# Altium PCB CorePad-V2.0.PcbDoc (part 3 of 3)
Units mil, origin at the board's own origin, x right, y up, seen from the top; angles counter-clockwise.
Board outline 2003.94 x 2003.94 mil, 4 copper layers (TOP, GND02, VCC03, BOT), stack 30.634 mil thick; 57 components, 182 nets, 610 pads, 391 vias.
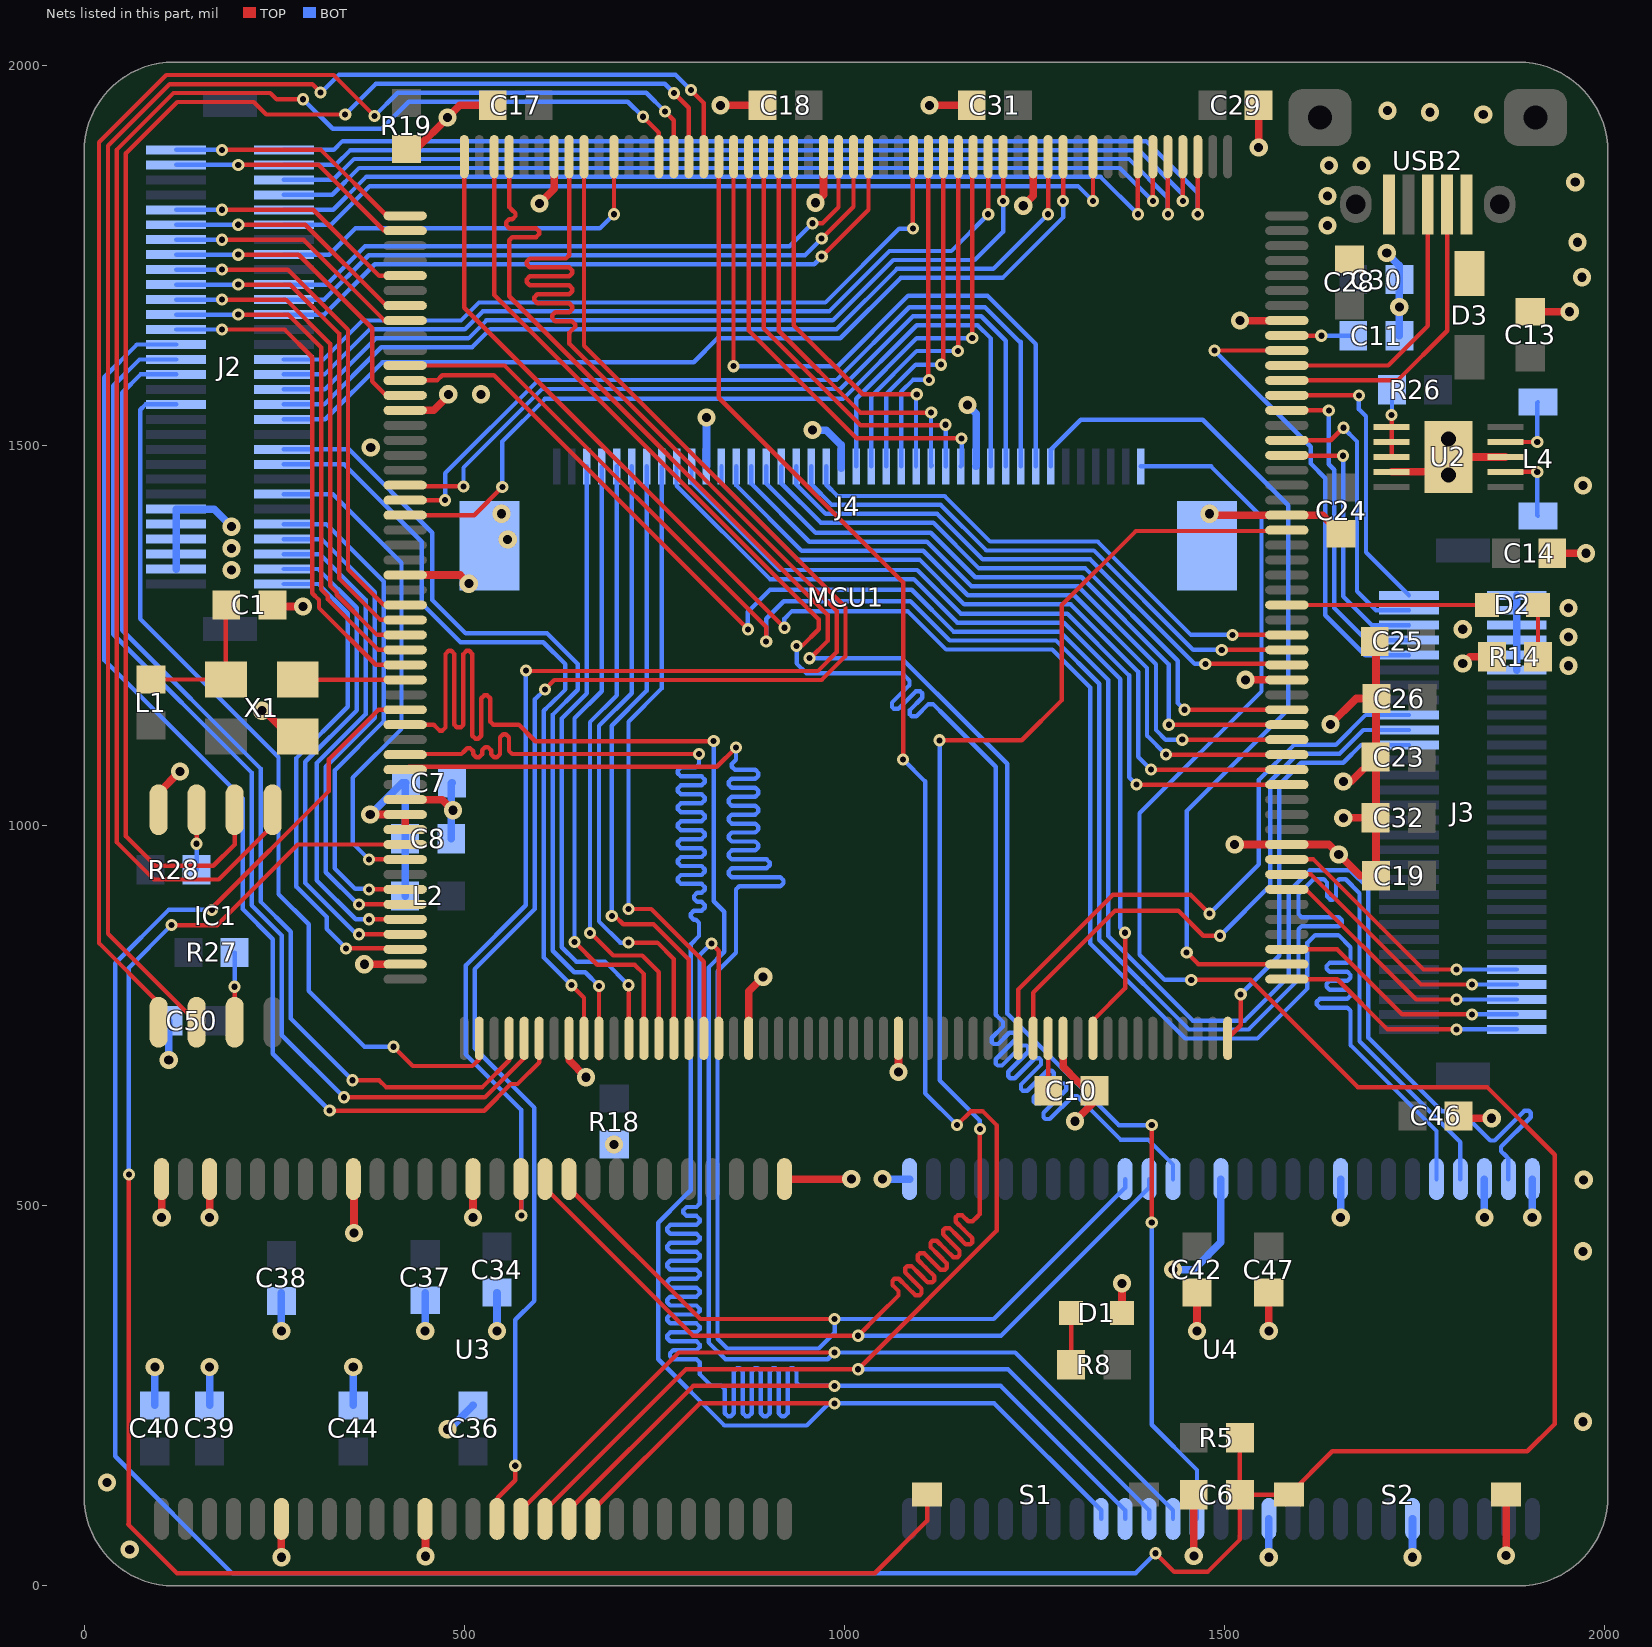
[diagram p5: the nets of this part, all layers, seen from the top]

## Via types
v1: diameter 16, hole 8, TOP to BOT, tented both sides, 229 vias
v2: diameter 24, hole 12, TOP to BOT, tented both sides, 156 vias
v3: diameter 27.56, hole 23.62, TOP to BOT, 4 vias
v4: diameter 39.37, hole 19.68, TOP to BOT, 2 vias

## Nets (pads, with @x,y where several pads share a name; then routed paths per layer and width w, separated by ;. In a path a pad name is that pad's centre, name@x,y a point inside that pad or via, vN(x,y) a via of type N, cw(c..) or ccw(c..) an arc to the next point about the centre after c; other vN are vias at no path point) (continued)
FMC_D29: MCU1.208 U4.50 | length 2620.8
  TOP w5.78: MCU1.208@500,1879.57 500,1681 v1(921,1260)
  BOT w5.78: v1(921,1260) 921,1272 931,1282 1083,1282 1133.55,1231.45 1273.21,1231.45 1323.12,1181.54 1323.12,844.86 1448.08,719.9 1543,719.9 1608.78,785.68 1608.78,845.78 1618.89,855.89 1649.55,855.89 1665.44,840 1665.44,837 1665.44,831.11 1665.44,823.45 1661.32,819.33 1637.93,819.33 1633.81,815.21 1633.81,811.67 1637.93,807.55 1661.32,807.55 1665.44,803.43 1665.44,799.89 1661.32,795.77 1637.93,795.77 1633.81,791.65 1633.81,788.11 1637.93,783.99 1661.32,783.99 1665.44,779.87 1665.44,776.33 1661.32,772.21 1625.22,772.21 1621.09,768.09 1621.09,764.55 1625.22,760.43 1661.32,760.43 1665.44,756.31 1665.44,748.65 1665.44,737 1665.44,711.24 1778.46,598.22 U4.50@1778.46,535
FMC_D30: MCU1.11 U4.51 | length 2620.8
  TOP w5.78: MCU1.11@422.24,1604.96 553.04,1604.96 897,1261 v1(897,1242)
  BOT w5.78: v1(897,1242) 897,1272 920,1295 1086.66,1295 1138.43,1243.23 1278.09,1243.23 1334.9,1186.42 1334.9,849.74 1452.96,731.68 1531.34,731.68 1597,797.34 1597,850 1597,855.89 1597,863.55 1601.12,867.67 1650,867.67 1654.12,871.79 1654.12,875.33 1650,879.45 1601.12,879.45 1597,883.57 1597,891.23 1597,903.01 1597,909.34 1616.88,929.22 1622.77,929.22 1630.43,929.22 1634.55,925.1 1634.55,906.67 1638.67,902.55 1642.21,902.55 1646.33,906.67 1646.33,925.1 1650.45,929.22 1658.11,929.22 1659,929.22 1677.22,911 1677.22,716.12 1809.96,583.38 U4.51@1809.96,535
FMC_D31: MCU1.12 U4.53 | length 2622.2
  TOP w5.78: MCU1.12@422.24,1585.28 464.21,1585.28 470.93,1592 539,1592 v1(873,1258)
  BOT w5.78: v1(873,1258) 873,1281 902,1310 1088.32,1310 1143.31,1255.01 1282.97,1255.01 1346.68,1191.3 1346.68,854.62 1457.84,743.46 1526.46,743.46 1584,801 1584,913 1612,941 1665,941 1689,917 1689,721 1785.55,624.45 1810.55,624.45 1849,586 1849.21,585.79 1855.04,585.79 1894.08,624.82 1899.91,624.82 1902.41,622.32 1902.41,616.49 1863.37,577.46 1863.37,571.63 1868.79,566.21 1872.95,562.05 U4.53@1872.95,535
FMC_NBL0: MCU1.200 U3.15 | length 2405
  TOP w5.78: U3.15@543.99,77.15 543.99,115.99 567,139 v1(567,158) ; v1(606,1179) 618.33,1191.33 969.88,1191.33 1001.34,1222.79 1001.34,1286.98 657.48,1630.84 MCU1.200@657.48,1879.57
  BOT w5.78: v1(567,158) 567,349.89 591.89,374.78 591.89,543.2 591.99,543.3 591.99,629.01 513.78,707.22 513.78,811.14 592.77,890.13 592.77,1165.77 v1(606,1179)
FMC_NBL1: MCU1.201 U3.39 | length 2409.4
  TOP w5.78: U3.39@574.49,535 574,534.51 573,535.51 575,537.51 v1(575,487) ; v1(581,1204) 581.89,1203.11 965,1203.11 989.56,1227.67 989.56,1282.1 637.89,1633.77 637.89,1639.66 637.89,1647.75 641.58,1651.44 645.7,1655.56 645.7,1659.1 641.58,1663.22 637.89,1663.22 619.62,1663.22 615.5,1667.34 615.5,1670.88 619.62,1675 637.89,1675 642.01,1679.12 642.01,1682.66 637.89,1686.78 596.06,1686.78 591.94,1690.9 591.94,1694.44 596.06,1698.56 637.89,1698.56 642.01,1702.68 642.01,1706.22 637.89,1710.34 586.14,1710.34 582.02,1714.46 582.02,1718 586.14,1722.12 637.89,1722.12 642.01,1726.24 642.01,1729.78 637.89,1733.9 586.14,1733.9 582.02,1738.02 582.02,1741.56 586.14,1745.68 633.77,1745.68 637.89,1749.8 637.89,1750 637.89,1879.47 MCU1.201@637.79,1879.57
  BOT w5.78: v1(575,487) 575,626 502,699 502,816.02 580.99,895.01 v1(581,1204)
FMC_NBL2: MCU1.205 U4.15 | length 2367.3
  TOP w5.78: MCU1.205@559.05,1879.57 559.05,1815 559.05,1813.23 563.18,1809.11 567.3,1804.99 567.3,1801.45 563.18,1797.33 559.05,1797.33 554.93,1793.21 554.93,1789.67 559.05,1785.55 594.47,1785.55 598.59,1781.43 598.59,1777.89 594.47,1773.77 563.18,1773.77 559.05,1769.65 559.05,1765 559.05,1695.95 977.78,1277.22 977.78,1242.78 955,1220 v1(954,1220) ; v1(1404,478) v1(1404,606)
  BOT w5.78: v1(954,1220) 1075,1220 1121,1174 1121.34,1174 1214,1081.34 1214,752.66 1360.66,606 v1(1404,606) ; v1(1404,478) 1404,212 1463.5,152.5 U4.15@1463.5,88.15
FMC_NBL3: MCU1.206 U4.39 | length 2427.6
  TOP w5.78: MCU1.206@539.37,1879.57 539.37,1697.63 966,1271 966,1258 944,1236 v1(937,1236)
  BOT w5.78: v1(937,1236) 937,1213.11 950.06,1200.06 1075.94,1200.06 1080.11,1195.89 1085.52,1190.48 1085.52,1184.65 1062.48,1161.6 1062.48,1155.77 1064.98,1153.27 1070.81,1153.27 1093.85,1176.32 1099.68,1176.32 1102.18,1173.82 1102.18,1167.99 1086.01,1151.81 1086.01,1145.98 1088.51,1143.48 1094.34,1143.48 1110.51,1159.66 1116.34,1159.66 1133,1143 1198.89,1077.11 1198.89,751.11 1203.05,746.95 1208.47,741.53 1208.47,735.7 1193.78,721.01 1193.78,715.18 1196.28,712.68 1202.11,712.68 1216.8,727.37 1222.63,727.37 1225.13,724.87 1225.13,719.04 1198.79,692.7 1198.79,686.87 1201.29,684.37 1207.12,684.37 1233.46,710.71 1239.29,710.71 1241.79,708.21 1241.79,702.38 1215.45,676.04 1215.45,670.21 1217.95,667.71 1223.78,667.71 1250.12,694.05 1255.95,694.05 1258.45,691.55 1258.45,685.72 1232.11,659.38 1232.11,653.55 1234.61,651.05 1240.44,651.05 1266.78,677.39 1272.61,677.39 1275.11,674.89 1275.11,669.06 1248.77,642.72 1248.77,636.89 1251.27,634.39 1257.1,634.39 1283.44,660.73 1289.27,660.73 1291.77,658.23 1291.77,652.4 1261.67,622.3 1261.67,616.47 1264.17,613.97 1270,613.97 1300.1,644.07 1305.93,644.07 1311.34,638.66 1315,635 1363,587 1399.11,587 1432.01,554.11 U4.39@1432.01,535
FMC_SDCKE0: MCU1.38 U3.37 U4.37 | length 2872.2
  TOP w5.78: MCU1.38@422.24,1073.46 422.71,1073 426.82,1077.11 832.11,1077.11 v1@857.5,1102.5 ; U3.37@637.48,523.7 810.18,351 v1(987,351)
  BOT w5.78: v1(857.33,1102.67) 857.33,1096.78 857.33,1086.39 855.94,1085 851.82,1080.88 851.82,1077.34 855.94,1073.22 857.33,1073.22 882.67,1073.22 886.8,1069.1 886.8,1065.56 882.67,1061.44 857.33,1061.44 851.73,1061.44 847.6,1057.32 847.6,1053.78 851.73,1049.66 857.33,1049.66 882.67,1049.66 886.8,1045.54 886.8,1042 882.67,1037.88 857.33,1037.88 851.73,1037.88 847.6,1033.76 847.6,1030.22 851.73,1026.1 857.33,1026.1 882.67,1026.1 886.8,1021.98 886.8,1018.44 882.67,1014.32 857.33,1014.32 851.73,1014.32 847.6,1010.2 847.6,1006.66 851.73,1002.54 857.33,1002.54 882.67,1002.54 886.8,998.42 886.8,994.88 882.67,990.76 857.33,990.76 851.73,990.76 847.6,986.64 847.6,983.1 851.73,978.98 857.33,978.98 882.67,978.98 886.8,974.86 886.8,971.32 882.67,967.2 857.33,967.2 851.73,967.2 847.6,963.08 847.6,959.54 851.73,955.42 857.33,955.42 897.5,955.42 901.62,951.3 901.62,947.76 897.5,943.64 857.33,943.64 851.73,943.64 847.6,939.52 847.6,935.98 851.73,931.86 857.33,931.86 915.68,931.86 919.8,927.74 919.8,924.2 915.68,920.08 861.45,920.08 857.33,915.96 857.33,905 857.33,832.67 833.01,808.35 833.01,325.12 845.91,312.22 966.22,312.22 987,333 v1(987,351) 1196.31,351 1369.02,523.7 U4.37@1369.02,535
FMC_SDCLK: MCU1.135 U3.38 U4.38 | length 2848.5
  TOP w5.78: U3.38@605.98,523.7 800.69,329 v1(1018,329) 1045.5,356.5 1070.96,381.96 1070.96,387.79 1063.12,395.63 1063.12,401.47 1065.62,403.96 1071.45,403.96 1082.21,393.21 1092.96,382.45 1098.8,382.45 1101.29,384.95 1101.29,390.78 1090.54,401.54 1079.78,412.29 1079.78,418.12 1082.28,420.62 1088.11,420.62 1098.87,409.87 1109.62,399.11 1115.45,399.11 1117.95,401.61 1117.95,407.44 1107.2,418.2 1096.44,428.95 1096.44,434.78 1098.94,437.28 1104.77,437.28 1115.53,426.53 1126.28,415.77 1132.11,415.77 1134.61,418.27 1134.61,424.1 1123.86,434.86 1113.1,445.61 1113.1,451.44 1115.6,453.94 1121.43,453.94 1132.19,443.19 1142.94,432.43 1148.77,432.43 1151.27,434.93 1151.27,440.76 1140.52,451.52 1129.76,462.27 1129.76,468.1 1132.26,470.6 1138.09,470.6 1148.85,459.85 1159.6,449.09 1165.43,449.09 1167.93,451.59 1167.93,457.42 1157.18,468.18 1146.42,478.93 1146.42,484.76 1148.92,487.26 1154.75,487.26 1162.59,479.42 1168.42,479.42 1173.84,484.84 1178,489 v1(1178,601) ; v1(1125,1112) 1233,1112 1285.5,1164.5 1285.5,1289.5 1383.22,1387.22 MCU1.135@1580.49,1387.22
  BOT w5.78: v1(1018,329) 1205.81,329 1400.51,523.7 U4.38@1400.51,535 ; v1(1125,1112) 1125,665 1178,612 v1(1178,601)
FMC_SDNCAS: MCU1.191 U3.17 U4.17 | length 2837.5
  TOP w5.78: U3.17@605.98,88.15 605.98,99.45 791.54,285 v1(1018,285) 1200,467 1200,606 1182,624 1166,624 v1(1148,606) ; MCU1.191@834.65,1879.57 834.65,1562.35 1077,1320 v1(1077,1087)
  BOT w5.78: v1(1018,285) 1214.96,285 1400.51,99.45 U4.17@1400.51,88.15 ; v1(1077,1087) 1106,1058 1106,648 v1(1148,606)
FMC_SDNE0: MCU1.37 U3.19 U4.19 | length 2827.4
  TOP w5.78: MCU1.37@422.24,1093.15 423.34,1094.24 423.58,1094 494,1094 496.22,1094 499.89,1097.67 504.01,1101.79 507.55,1101.79 511.67,1097.67 511.67,1094 511.67,1093.71 515.79,1089.58 519.33,1089.58 523.45,1093.71 523.45,1094 523.45,1098.98 527.57,1103.1 531.11,1103.1 535.23,1098.98 535.23,1094 535.23,1093.71 539.35,1089.58 542.89,1089.58 547.01,1093.71 547.01,1094 547.01,1115.92 551.13,1120.05 554.67,1120.05 558.79,1115.92 558.79,1098.12 562.91,1094 603,1094 v1(808.71,1094) ; U3.19@668.98,88.15 668.98,99.45 809.53,240 v1(987,240)
  BOT w5.78: v1(808.71,1094) 808.71,1088.11 808.71,1080.45 804.59,1076.33 784.9,1076.33 780.78,1072.21 780.78,1068.67 784.9,1064.55 808.71,1064.55 812.1,1064.55 816.22,1060.43 816.22,1056.89 812.1,1052.77 808.71,1052.77 784.9,1052.77 780.78,1048.65 780.78,1045.11 784.9,1040.99 808.71,1040.99 812.1,1040.99 816.22,1036.87 816.22,1033.33 812.1,1029.21 808.71,1029.21 784.9,1029.21 780.78,1025.09 780.78,1021.55 784.9,1017.43 808.71,1017.43 812.1,1017.43 816.22,1013.31 816.22,1009.77 812.1,1005.65 808.71,1005.65 784.9,1005.65 780.78,1001.53 780.78,997.99 784.9,993.87 808.71,993.87 812.1,993.87 816.22,989.75 816.22,986.21 812.1,982.09 808.71,982.09 784.9,982.09 780.78,977.97 780.78,974.43 784.9,970.31 808.71,970.31 812.1,970.31 816.22,966.19 816.22,962.65 812.1,958.53 808.71,958.53 784.9,958.53 780.78,954.41 780.78,950.87 784.9,946.75 808.71,946.75 812.1,946.75 816.22,942.63 816.22,939.09 812.1,934.97 808.71,934.97 784.9,934.97 780.78,930.85 780.78,927.31 784.9,923.19 808.71,923.19 812.1,923.19 816.22,919.07 816.22,915.53 812.1,911.41 808.71,911.41 806.18,911.41 802.06,907.29 802.06,903.75 806.18,899.63 808.71,899.63 812.1,899.63 816.22,895.51 816.22,891.97 812.1,887.85 808.71,887.85 801.79,887.85 797.67,883.73 797.67,880.19 801.79,876.07 804.59,876.07 808.71,871.95 808.71,868 808.71,854.71 797.67,843.67 797.67,520.37 787.41,510.11 755,477.71 755,475.53 755,298.04 842.04,211 879.69,211 950.38,211 979.37,240 v1(987,240) 1196.97,240 1337.52,99.45 U4.19@1337.52,88.15
FMC_SDNRAS: MCU1.70 U3.18 U4.18 | length 2868.4
  TOP w5.78: U3.18@637.48,88.15 637.48,99.45 801.03,263 v1(987,263) ; v1(825,845) 834.65,835.35 MCU1.70@834.65,720.12
  BOT w5.78: v1(825,845) 809.45,829.45 809.45,516 809.45,510.11 809.45,502.45 805.33,498.33 792.28,498.33 788.16,494.21 788.16,490.67 792.28,486.55 805.33,486.55 809.45,482.43 809.45,478.89 805.33,474.77 770.9,474.77 766.78,470.65 766.78,467.11 770.9,462.99 805.33,462.99 809.45,458.87 809.45,455.33 805.33,451.21 770.9,451.21 766.78,447.09 766.78,443.55 770.9,439.43 805.33,439.43 809.45,435.31 809.45,431.77 805.33,427.65 770.9,427.65 766.78,423.53 766.78,419.99 770.9,415.87 805.33,415.87 809.45,411.75 809.45,408.21 805.33,404.09 770.9,404.09 766.78,399.97 766.78,396.43 770.9,392.31 805.33,392.31 809.45,388.19 809.45,384.65 805.33,380.53 770.9,380.53 766.78,376.41 766.78,372.87 770.9,368.75 805.33,368.75 809.45,364.63 809.45,361.09 805.33,356.97 770.9,356.97 766.78,352.85 766.78,349.31 770.9,345.19 805.33,345.19 809.45,341.07 809.45,337.53 805.33,333.41 770.9,333.41 766.78,329.29 766.78,325.75 770.9,321.63 805.33,321.63 809.45,317.51 809.45,313.97 805.33,309.85 774.59,309.85 770.46,305.73 770.46,302.19 774.59,298.07 805.38,298.07 809.45,294 809.45,278.55 825,263 830.89,263 838.55,263 842.67,258.88 842.67,227.03 846.79,222.91 850.33,222.91 854.45,227.03 854.45,263 854.45,281.97 858.57,286.1 862.11,286.1 866.23,281.97 866.23,263 866.23,227.03 870.35,222.91 873.89,222.91 878.01,227.03 878.01,263 878.01,281.97 882.13,286.1 885.67,286.1 889.79,281.97 889.79,263 889.79,227.03 893.91,222.91 897.45,222.91 901.57,227.03 901.57,263 901.57,281.97 905.69,286.1 909.23,286.1 913.35,281.97 913.35,263 913.35,227.03 917.47,222.91 921.01,222.91 925.13,227.03 925.13,263 925.13,281.97 929.25,286.1 932.79,286.1 936.91,281.97 936.91,267.12 941.03,263 v1(987,263) 1205.46,263 1369.02,99.45 U4.18@1369.02,88.15
FMC_SDNWE: MCU1.35 U3.16 U4.16 | length 2947.5
  TOP w5.78: MCU1.35@422.24,1132.52 428.13,1132.52 439.91,1132.52 451.69,1132.52 459.86,1132.52 463.47,1128.9 467.6,1124.78 471.13,1124.78 475.25,1128.9 475.25,1132.52 475.25,1225.53 479.38,1229.65 482.91,1229.65 487.03,1225.53 487.03,1132.52 490.19,1129.36 495.65,1129.36 498.81,1132.52 498.81,1225.53 502.94,1229.65 506.47,1229.65 510.59,1225.53 510.59,1132.52 510.59,1118.13 514.72,1114.01 518.25,1114.01 522.37,1118.13 522.37,1132.52 522.37,1167.32 526.5,1171.44 530.03,1171.44 534.15,1167.32 534.15,1136.64 538.28,1132.52 571.82,1132.52 593.45,1110.89 827.89,1110.89 v1(828,1111) ; U3.16@574.49,88.15 574.49,99.45 782.04,307 v1(987,307) ; v1@828,1109 v1@832.11,1109
  BOT w5.78: 828,934.21 828,923.95 828,900.39 841.89,886.5 841.89,833.89 821.23,813.23 821.23,320.24 843.47,298 853.69,298 937.67,298 947.93,298 961.23,298 978,298 v1(987,307) 1224.46,307 1432.01,99.45 U4.16@1432.01,88.15 ; 828,934.21 v1(828,1111)
GND: C1.2 C6.2 C7.2 C8.2 C10.1 C11.1 C13.1 C14.1 C17.1 C18.1 C19.1 C23.1 C24.1 C25.1 C26.1 C28.1 C29.1 C30.1 C31.1 C32.1 C34.1 C36.1 C37.1 C38.1 C39.1 C40.1 C42.1 C44.1 C46.1 C47.1 C50.1 D1.K IC1.4 J2.25 J2.26 J2.27 J2.28 J2.29 J3.55 J3.56 J3.57 J3.58 J3.59 J3.60 J4.11 J4.20 J4.29 J4.41 J4.42 MCU1.14 MCU1.25 MCU1.40 MCU1.51 MCU1.60 MCU1.72 MCU1.82 MCU1.93 MCU1.114 MCU1.125 MCU1.136 MCU1.149 MCU1.170 MCU1.184 MCU1.202 R14.2 R18.2 R19.1 S2.2 U2.3 U2.9 U2.11 U3.6 U3.12 U3.28 U3.41 U3.46 U3.52 U3.54 U4.6 U4.12 U4.28 U4.41 U4.46 U4.52 U4.54 USB2.5 X1.2 | length 4853.7
  TOP w10: IC1.4@98,1020.76 98,1043 v2(126,1071) ; v2(102.05,484.52) U3.54@102.05,535 ; v2(165.04,484.52) U3.52@165.04,535 ; v2(234,1151) 234,1152 235,1153 270.8,1117.2 X1.2@281,1117.2 ; C1.2@247.63,1290 249.63,1288 v2(288,1288) ; v2(259.53,37.67) U3.6@259.53,88.15 ; U3.46@354.02,535 355,534.02 v2(355,464) ; v2(368.56,817.56) MCU1.51@422.24,817.56 ; MCU1.40@422.24,1034.09 470.91,1034.09 v2(485,1020) ; MCU1.25@422.24,1329.37 494.63,1329.37 v2(506,1318) ; MCU1.14@422.24,1545.91 455.91,1545.91 456,1546 460,1546 479,1565 v2(479,1567) ; R19.1@424,1889.69 436.69,1889.69 v2(478,1931) 494,1947 C17.1@537.37,1947 ; U3.12@448.5,88.15 449,87.65 v2(449,39) ; v2(511.5,484.52) U3.41@511.5,535 ; v2(599,1818) 618.11,1837.11 MCU1.202@618.11,1879.57 ; MCU1.60@637.79,720.12 637.79,691.21 v2(660,669) ; v2(836.8,1947) C18.1@892.37,1947 ; MCU1.72@874.02,720.12 874.02,782.02 v2(893,801) ; U3.28@920.94,535 v2(1009,535) v2@1013,535 ; v2(962,1819) 972.44,1829.44 MCU1.184@972.44,1879.57 ; MCU1.82@1070.87,720.12 1071,719.98 v2(1071,676) ; v2(1111.8,1947) C31.1@1167.37,1947 ; v2(1235,1815) 1248.03,1828.03 MCU1.170@1248.03,1879.57 ; MCU1.93@1287.4,720.12 1287.4,682.6 1289.71,680.29 1290.45,680.29 1296.31,674.43 1296.31,673.69 1319,651 C10.1@1328.63,651 1328.63,636.63 v2(1303,611) ; D1.K@1364.93,359 v2(1364.93,397.93) ; v2(1459.37,39.37) C6.2@1459.37,120 ; v2(1463.5,335.21) C42.1@1463.5,385.69 ; v2(1480,1410) 1481.89,1408.11 MCU1.136@1581.69,1408.11 1628.57,1408.11 C24.1@1653,1383.68 ; v2(1513.04,975.04) MCU1.114@1581.69,975.04 1636.96,975.04 v2(1650,962) 1678,934 C19.1@1699,934 C26.1@1699,1167 ; v2(1520.02,1664.02) MCU1.149@1581.69,1664.02 ; v2(1527.43,1191.57) MCU1.125@1581.69,1191.57 ; v2(1544.63,1891.43) C29.1@1544.63,1947 ; v2(1557.99,335.21) C47.1@1557.99,385.69 ; v2(1639,1133) 1673,1167 C26.1@1699,1167 ; v2(1656,1010) C32.1@1698.37,1010 ; v2(1656,1058) 1666.37,1058 C23.1@1698.37,1090 ; C25.1@1697.37,1242 1699,1240.37 C26.1@1699,1167 ; C26.1@1699.37,1167 C26.1@1699,1167 ; U2.9@1719.39,1464.94 1774.51,1464.94 U2.11@1794.2,1484.63 U2.3@1869,1484.63 ; C46.1@1807.63,618 1810.63,615 v2(1851,615) ; v2(1813,1213) 1822,1222 R14.2@1851.37,1222 ; v2(1870,40) S2.2@1870,120 ; C13.1@1902,1675.63 v2(1953.63,1675.63) ; C14.1@1930.63,1358 v2(1975,1358)
  BOT w10: C40.1@93.05,237.46 v2(93.05,287.94) ; v2(111.37,691.63) C50.1@111.37,743.31 ; J2.29@121,1337.24 J2.28@121,1356.93 J2.27@121,1376.61 J2.26@121,1396.3 J2.25@121,1415.98 170.95,1415.98 v2(193.94,1393) ; C39.1@165.04,237.46 v2(165.04,287.94) ; v2(259.53,335.21) C38.1@259.53,374.69 C38.1@259.53,385.69 ; C44.1@354.02,237.46 v2(354.02,287.94) ; v2(448.5,335.21) C37.1@448.5,375.69 C37.1@448.5,385.69 ; v2(478,206) 480.04,206 C36.1@511.5,237.46 ; C8.2@482.87,982.35 482.87,1055.35 C7.2@483.87,1056.35 ; v2(542.99,335.21) C34.1@542.99,385.69 ; J4.11@818.49,1472.21 v2(818.49,1536.51) ; v2(958,1520) 976,1520 995.66,1500.34 J4.20@995.66,1472.21 J4.20@995.66,1469.77 ; v2(1050,535) U4.28@1085.55,535 ; v2(1161.65,1553) 1173,1541.65 1173,1472.39 J4.29@1172.82,1472.21 ; v2(1432,416) 1459,416 1495,452 U4.41@1495,535 ; v2(1557.99,37.67) U4.12@1557.99,88.15 ; v2(1652.48,484.52) U4.46@1652.48,535 ; v2(1713,1753) 1729.63,1736.37 C30.1@1729.63,1718 v2(1729.63,1682) C11.1@1729.63,1644 ; v2(1746.97,37.67) U4.6@1746.97,88.15 ; v2(1841.46,484.52) U4.52@1841.46,535 ; J3.55@1884,1204.31 J3.56@1884,1224 J3.57@1884,1243.69 J3.58@1884,1263.37 J3.59@1884,1283.06 J3.60@1884,1302.74 ; v2(1904.45,484.52) U4.54@1904.45,535
  other v2: 60,47.94 30,136 1971,215.94 1971,440 1972,534 697,580.37 1952,1210 1952,1248 1813,1258 1952,1286 193.94,1336 193.94,1364.5 557,1376 549,1410 1971,1447 377,1497 521.94,1567 1969.94,1721 1964,1767 1635,1789 1635,1827.94 1961,1846 1637,1867.94 1680,1867.94 1840,1935 1769.94,1938 1713.94,1940
  other v4: 1794.2,1461.01 1794.2,1508.25
LCD_B0: J4.21 MCU1.174 | length 513.8
  TOP w5.78: v1(1168,1641) 1168,1878.28 MCU1.174@1169.29,1879.57
  BOT w5.78: J4.21@1015.34,1472.21 1015.34,1561.21 1095.14,1641 v1(1168,1641)
LCD_B1: J4.22 MCU1.175 | length 486.6
  TOP w5.78: v1(1149,1624) 1149.61,1624.61 MCU1.175@1149.61,1879.57
  BOT w5.78: J4.22@1035.03,1472.21 1035.03,1564.23 1094.8,1624 v1(1149,1624)
LCD_B2: J4.23 MCU1.176 | length 459.9
  TOP w5.78: v1(1127,1606) 1129.92,1606 MCU1.176@1129.92,1879.57
  BOT w5.78: J4.23@1054.71,1472.21 1054.71,1567.26 1093.45,1606 v1(1127,1606)
LCD_B3: J4.24 MCU1.177 | length 435.2
  TOP w5.78: MCU1.177@1110.24,1879.57 1110.11,1879.44 1110.11,1586.89 v1(1111,1586)
  BOT w5.78: J4.24@1074.4,1472.21 1074.4,1570.28 1090.11,1586 v1(1111,1586)
LCD_B4: J4.25 MCU1.186 | length 516.4
  TOP w5.78: MCU1.186@933.07,1879.57 933.07,1657.93 1024,1567 v1(1095,1567)
  BOT w5.78: J4.25@1094.08,1472.21 1094.08,1566.08 v1(1095,1567)
LCD_B5: J4.26 MCU1.187 | length 546.8
  TOP w5.78: MCU1.187@913.39,1879.57 913.39,1650.61 1021,1543 v1(1114,1543)
  BOT w5.78: v1(1114,1543) 1113.77,1542.77 J4.26@1113.77,1472.21 J4.26@1115,1473.44
LCD_B6: J4.27 MCU1.188 | length 573.4
  TOP w5.78: MCU1.188@893.7,1879.57 893.7,1653.64 1021.23,1526.11 1132.11,1526.11 v1(1133,1527)
  BOT w5.78: v1(1133,1527) 1133,1472.67 J4.27@1133.45,1472.21
LCD_B7: J4.28 MCU1.189 | length 604.6
  TOP w5.78: MCU1.189@874.02,1879.57 874.02,1650.98 1016,1509 v1(1154,1509)
  BOT w5.78: J4.28@1153.14,1472.21 1153,1472.35 1154,1473.35 v1(1154,1509)
LCD_BL: J4.34 MCU1.106 | length 1178.8
  TOP w5.78: v1(1450,833) 1465.22,817.78 1581.47,817.78 MCU1.106@1581.69,817.56
  BOT w5.78: J4.34@1271.25,1472.21 1271.25,1494.25 1310.56,1533.56 1471.1,1533.56 1583.66,1421 1583.66,1152.66 1450,1019 v1(1450,833)
LCD_CLK: J4.30 MCU1.21 | length 1084.3
  TOP w5.78: MCU1.21@422.24,1408.11 513.11,1408.11 v1(550,1445)
  BOT w5.78: v1(550,1445) 550,1505 606,1561 998,1561 1094.89,1657.89 1175,1657.89 1192.51,1640.38 J4.30@1192.51,1472.21
LCD_DE: J4.33 MCU1.190 | length 899.3